# Altium PCB uTCA_MCH_PCB3.pcbdoc (part 9 of 25)
Units mil, origin at the board's own origin, x right, y up, seen from the top; angles counter-clockwise.
Board outline 7110.66 x 2894.12 mil, 12 copper layers (Top Layer, GND1, MidLayer1, PWR1, MidLayer2, GND2, PWR2, MidLayer3, GND3, MidLayer4, PWR3, Bottom Layer), stack 63.15 mil thick; 767 components, 905 nets, 4553 pads, 2832 vias.
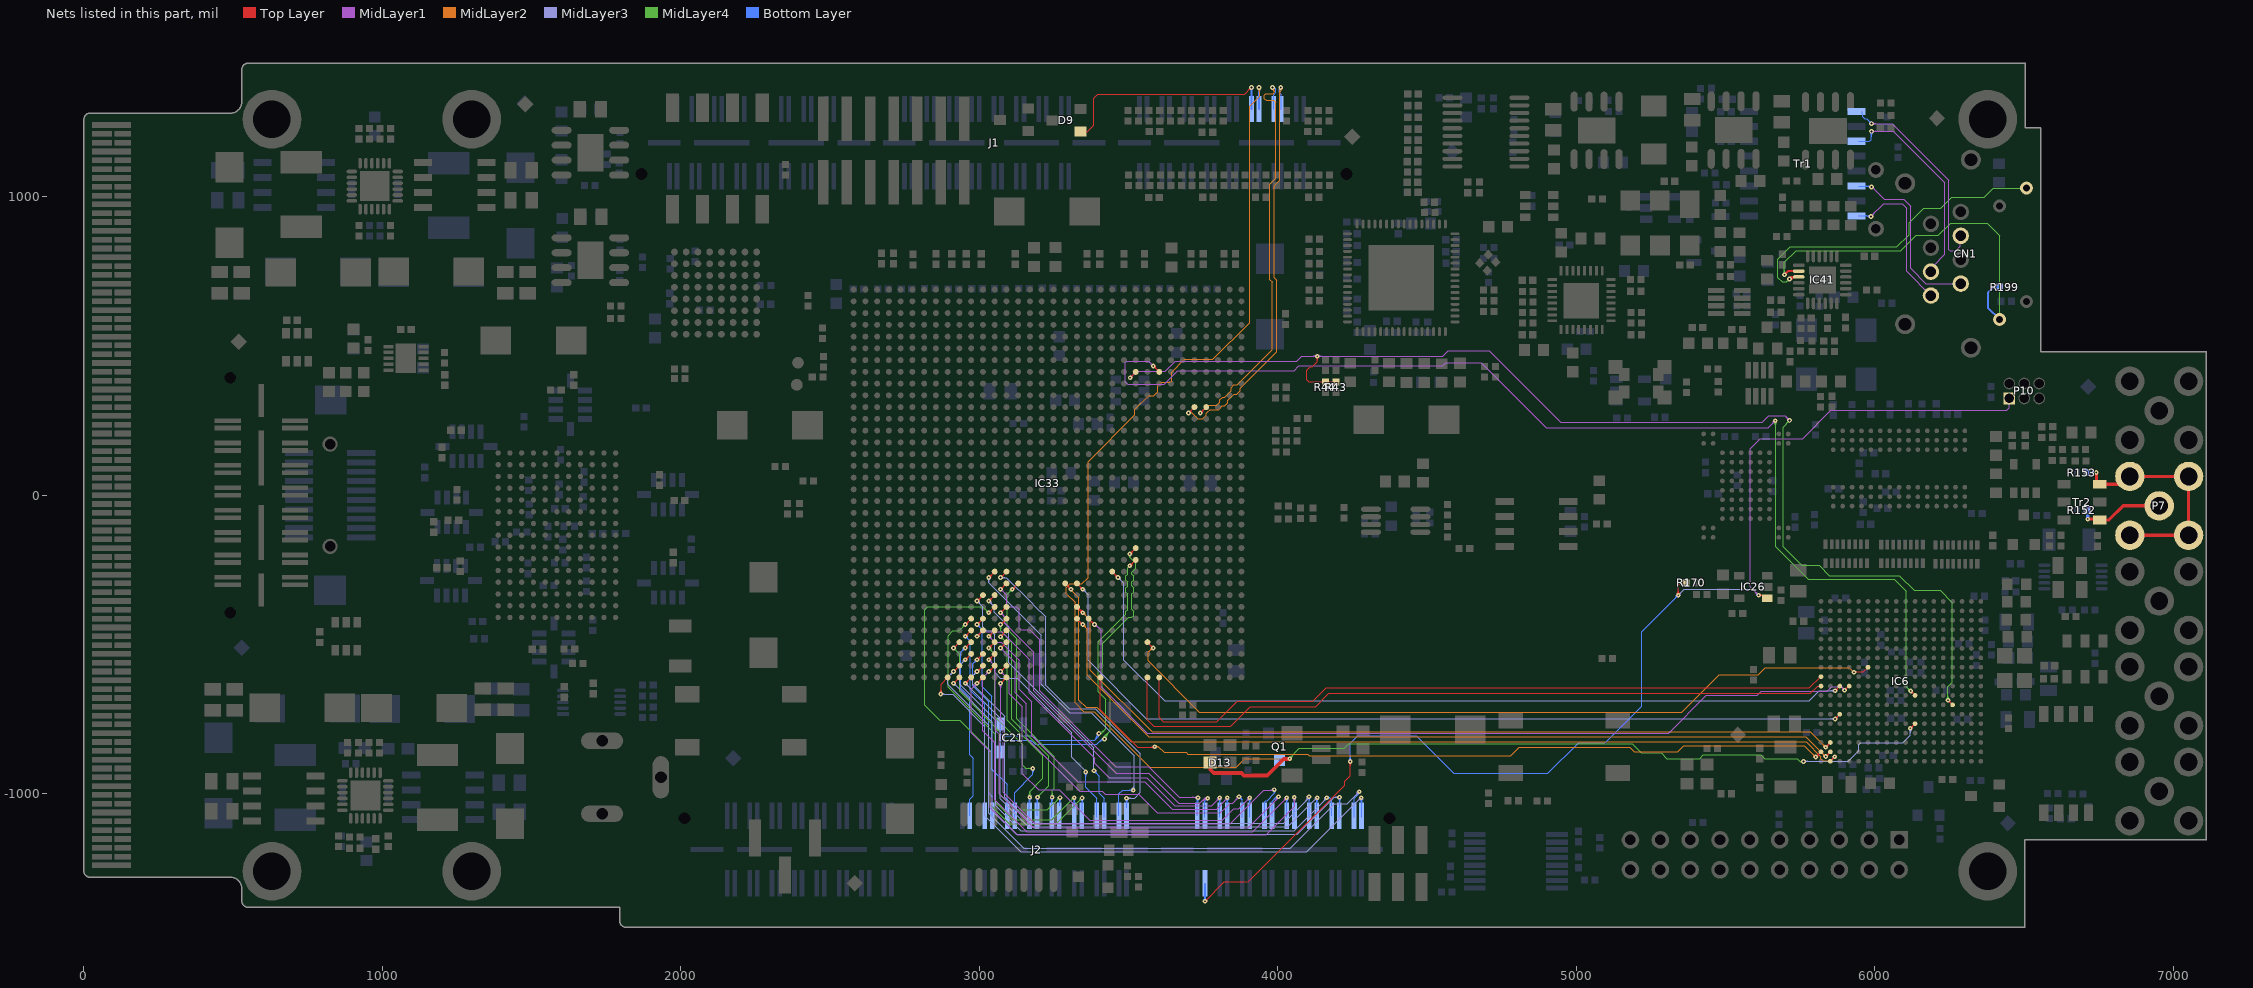
[diagram p19: the nets of this part, all layers, seen from the top]

## Via types
v1: diameter 15.75, hole 5.91, Top Layer to Bottom Layer, tented both sides, 2480 vias
v2: diameter 23.62, hole 11.81, Top Layer to Bottom Layer, tented both sides, 325 vias
v3: diameter 20, hole 10, Top Layer to Bottom Layer, tented both sides, 16 vias
v4: diameter 15.75, hole 7.87, Top Layer to Bottom Layer, tented both sides, 9 vias
v5: diameter 23.62, hole 11.81, Top Layer to Bottom Layer, 1 vias
v6: diameter 15.75, hole 5.91, Top Layer to Bottom Layer, 1 vias

## Nets (pads, with @x,y where several pads share a name; then routed paths per layer and width w, separated by ;. In a path a pad name is that pad's centre, name@x,y a point inside that pad or via, vN(x,y) a via of type N, cw(c..) or ccw(c..) an arc to the next point about the centre after c; other vN are vias at no path point) (continued)
EBI1_D28: IC6.A2 IC33.N34 | length 2730.1
  Top Layer w3.94: IC33.N34@3405.51,-610.24 3405.51,-719.17 3530.24,-843.9 v1@3589.49,-843.9 ; 3570.14,-843.9 ccw(c3570.14,-825.34) v1@3583.27,-838.46 ; 3576.23,-843.9 cw(c3576.23,-853.85) v1@3583.27,-846.81 ; 3579.65,-843.9 ccw(c3579.65,-834.84) v1@3586.05,-841.25 ; v1(5802,-877) 5802.31,-877 IC6.A2@5819.61,-859.7 ; v1@5802,-871.09 ccw(c5802,-856.1) 5812.61,-866.7 ; v1@5807.91,-877 cw(c5821.42,-877) 5811.86,-867.44
  MidLayer2 w3.94: v1@3588.07,-842.87 3599.72,-842.87 ; v1@3591.93,-846.47 cw(c3599.72,-853.11) 3599.72,-842.87 ; v1@3592.17,-839.09 ccw(c3599.72,-833.43) 3599.72,-842.87 ; v1@5796.09,-877 ccw(c5781.84,-877) 5791.92,-866.92 ccw(c5802,-856.84) v1@5802,-871.09 ; v1(5802,-877) 5764.2,-839.2 5360.27,-839.2 5339.47,-860 5194.72,-860 5178.94,-844.21 4809.37,-844.21 4780.94,-872.64 4104.65,-872.64 4099.57,-867.56 3698.27,-867.56 3692.44,-861.73 3618.58,-861.73 3599.72,-842.87
  other v1: 3587.44,-842.64
EBI1_D29: IC6.B2 IC33.R29 | length 2906.4
  Top Layer w3.94: IC33.R29@3326.77,-413.39 v1(3346.46,-433.07) ; v1@3340.55,-433.07 ccw(c3326.29,-433.07) 3336.38,-422.99 ccw(c3346.46,-412.91) v1@3346.46,-427.17 ; v1(5835.35,-875.45) IC6.B2@5851.1,-859.7 ; v1@5835.35,-869.54 ccw(c5835.35,-855.29) 5845.44,-865.37 ccw(c5855.52,-875.45) v1@5841.26,-875.45
  MidLayer2 w3.94: v1@3342.52,-433.07 v1(3346.46,-433.07) 3362,-448.61 3362,-603.42 3567.36,-808.78 5768.69,-808.78 v1(5835.35,-875.45) ; v1@3346.46,-438.98 cw(c3346.46,-453.23) 3356.54,-443.15 cw(c3366.62,-433.07) v1@3352.36,-433.07 ; v1@5829.45,-875.45 ccw(c5815.19,-875.45) 5825.27,-865.37 ccw(c5835.35,-855.29) v1@5835.35,-869.54
EBI1_D30: IC6.B3 IC33.R28 | length 2913.5
  Top Layer w3.94: v1(5835.35,-843.95) IC6.B3@5851.1,-828.2 ; v1@5835.35,-838.05 ccw(c5835.35,-823.79) 5845.44,-833.87 ccw(c5855.52,-843.95) v1@5841.26,-843.95
  Top Layer w4.92: IC33.R28@3326.77,-374.02 v1(3346.46,-393.7) ; v1@3341.04,-393.7 ccw(c3327.97,-393.7) 3337.22,-384.46 ccw(c3346.46,-375.22) v1@3346.46,-388.29
  MidLayer2 w3.94: v1@3344.49,-391.73 v1(3346.46,-393.7) 3372.07,-419.31 3372.07,-585.73 3578.66,-792.32 5783.72,-792.32 v1(5835.35,-843.95) ; v1@3346.46,-399.61 cw(c3346.46,-413.86) 3356.54,-403.78 cw(c3366.62,-393.7) v1@3352.36,-393.7 ; v1@5829.45,-843.95 ccw(c5815.19,-843.95) 5825.27,-833.87 ccw(c5835.35,-823.79) v1@5835.35,-838.05
EBI1_D31: IC6.B1 IC33.T26 | length 3125.8
  Top Layer w3.94: IC33.T26@3287.4,-295.28 v1(3307.09,-314.96) ; v1@3301.18,-314.96 ccw(c3286.92,-314.96) 3297.01,-304.88 ccw(c3307.09,-294.8) v1@3307.09,-309.06 ; IC6.B1@5851.1,-891.2 5851.1,-890.9 v1(5866,-876) ; v1@5860.09,-876 cw(c5845.84,-876) 5855.92,-886.08 cw(c5866,-896.16) v1@5866,-881.91
  MidLayer2 w3.94: v1@3305.12,-314.96 3312.99,-322.83 3312.99,-322.9 3333.4,-343.31 3333.4,-686.4 3358,-711 3393,-711 3508.3,-826.3 5769.39,-826.3 5819,-875.9 5819,-882 5827,-890 5852,-890 v1(5866,-876) ; v1@5860.09,-876 cw(c5845.84,-876) 5855.92,-886.08 cw(c5866,-896.16) v1@5866,-881.91
EBI1_NBS1: IC6.D9 IC33.P29 | length 2986.4
  Top Layer w3.94: IC33.P29@3366.14,-413.39 v1(3385.83,-433.07) ; v1@3379.92,-433.07 ccw(c3365.66,-433.07) 3375.75,-422.99 ccw(c3385.83,-412.91) v1@3385.83,-427.17 ; v1(5898.35,-653.01) 5912.13,-639.23 IC6.D9@5914.09,-639.23 ; v1@5898.35,-647.1 ccw(c5898.35,-632.85) 5908.43,-642.93 ccw(c5918.51,-653.01) v1@5904.25,-653.01
  MidLayer1 w3.94: v1@3385.83,-438.98 cw(c3385.83,-457.99) 3399.27,-444.54 ; v1@3385.83,-435.04 cw(c3385.83,-444.54) 3392.55,-437.82 ; v1@3385.83,-431.1 3407.8,-453.07 3407.8,-642.2 3563.19,-797.6 5308.7,-797.6 5435.57,-670.72 5606.48,-670.72 5619.73,-657.47 5841.05,-657.47 5856.15,-642.37 ; v1@3391.73,-433.07 ccw(c3401.24,-433.07) 3394.52,-439.79 ; 5856.34,-642.18 5889.74,-642.18 ; 5892.06,-644.5 ccw(c5898.35,-638.21) v1@5898.35,-647.1 ; v1@5892.57,-651.77 ccw(c5882.35,-649.58) 5889.74,-642.18 ; v1(5898.35,-653.01) 5898.35,-650.79 5889.74,-642.18
EBI1_NBS3: IC6.A9 IC33.J34 | length 2462.8
  Top Layer w3.94: IC33.J34@3562.99,-610.24 3562.99,-751.69 3584.88,-773.58 3841.61,-773.58 3907.24,-707.95 4126.1,-707.95 4170.79,-663.27 5784,-663.27 5808.04,-639.23 IC6.A9@5819.61,-639.23
EBI1_NCS0: IC6.A10 IC33.H34 | length 2419.2
  Top Layer w3.94: IC33.H34@3602.36,-610.24 3602.36,-744.33 3616.02,-757.99 3795.51,-757.99 3863.19,-690.32 4116.46,-690.32 4161.54,-645.24 5780.76,-645.24 5818.27,-607.73 IC6.A10@5819.61,-607.73
EBI1_NRD: IC6.F11 IC33.J31 | length 2693.6
  Top Layer w3.94: IC33.J31@3562.99,-492.13 v1(3582.68,-511.81) ; v1@3576.77,-511.81 ccw(c3562.51,-511.81) 3572.6,-501.73 ccw(c3582.68,-491.65) v1@3582.68,-505.91 ; v1(5930,-593) 5931.02,-591.98 5961.34,-591.98 IC6.F11@5977.09,-576.24
  MidLayer2 w3.94: 3565.87,-524.68 cw(c3582.68,-541.48) v1@3582.68,-517.72 ; 3572.6,-517.96 cw(c3582.68,-528.04) v1@3582.68,-513.78 ; 3575.38,-515.17 ccw(c3572.02,-511.81) v1@3576.77,-511.81 ; v1@3580.71,-509.84 3564.96,-525.59 3564.96,-555.08 3736.65,-726.77 5353.23,-726.77 5478,-602 5609,-602 5633,-578 5915,-578 v1(5930,-593)
EBI1_NWAIT: IC6.C6 IC33.R26 | length 2972.2
  Top Layer w3.94: IC33.R26@3326.77,-295.28 v1(3346.46,-314.96) ; v1@3340.55,-314.96 ccw(c3326.29,-314.96) 3336.38,-304.88 ccw(c3346.46,-294.8) v1@3346.46,-309.06 ; v1(5866.85,-749.46) IC6.C6@5882.6,-733.72 ; v1@5866.85,-743.56 ccw(c5866.85,-729.3) 5876.93,-739.38 ccw(c5887.01,-749.46) v1@5872.76,-749.46
  MidLayer3 w3.94: v1@3344.49,-312.99 v1(3346.46,-314.96) 3364.17,-332.68 3364.17,-553.54 3559.76,-749.13 5866.52,-749.13 v1(5866.85,-749.46) ; v1@3346.46,-320.87 cw(c3346.46,-335.12) 3356.54,-325.04 cw(c3366.62,-314.96) v1@3352.36,-314.96 ; 5851.79,-749.13 cw(c5851.79,-764.53) v1@5862.67,-753.64 ; 5853.4,-749.13 ccw(c5853.4,-736.02) v1@5862.67,-745.29
EBI1_NWE: IC6.C9 IC33.M25 | length 2877.5
  Top Layer w3.94: IC33.M25@3444.88,-255.91 v1(3464.57,-275.59) ; v1@3458.66,-275.59 ccw(c3444.4,-275.59) 3454.49,-265.51 ccw(c3464.57,-255.43) v1@3464.57,-269.69 ; v1(5866.85,-654.98) IC6.C9@5882.6,-639.23 ; v1@5866.85,-649.07 ccw(c5866.85,-634.81) 5876.93,-644.9 ccw(c5887.01,-654.98) v1@5872.76,-654.98
  MidLayer3 w3.94: v1@3464.57,-281.5 cw(c3464.57,-295.75) 3474.65,-285.67 cw(c3484.73,-275.59) v1@3470.47,-275.59 ; v1(3464.57,-275.59) 3484.25,-295.28 3484.25,-552.63 3620.21,-688.58 ; 3620.6,-688.98 5780,-688.98 5814,-654.98 v1(5866.85,-654.98) ; v1@5862.67,-659.15 ccw(c5852.59,-669.23) 5852.59,-654.98 ccw(c5852.59,-640.72) v1@5862.67,-650.8
ETH_100MHZ.LED_ACT: CN1.10 IC41.3 | length 1171.6
  Top Layer w6.89: v1@5712.09,726.19 cw(c5724.25,714.03) 5724.25,731.23 ; v1@5714.42,728.84 ccw(c5715.54,737.17) 5721.49,731.23 ; v1@5714.93,724.67 5721.49,731.23 ; v1@5716.96,721.32 cw(c5740.89,697.39) IC41.3@5740.89,731.23 ; v1@5718.26,724.45 cw(c5726.83,724.45) 5720.77,730.51 ; IC41.3@5745.08,731.23 5721.49,731.23
  MidLayer4 w4: v1@5707.96,724.23 cw(c5695.51,723.75) 5704.32,714.94 ; v1@5712.5,723.12 5704.32,714.94 ; v1@5713.61,718.58 ccw(c5713.13,706.13) 5704.32,714.94 ; CN1.10@6507.87,1029.06 6396.06,1029.06 6366,999 6258,999 6221,962 6164,962 6115,913 6115,873 6074,832 5716,832 5675,791 5675,729 5689.06,714.94 5704.32,714.94
  other v1: 5713.83,724.45
ETH_100MHZ.LED_LINK: CN1.11 IC41.2 R199.2 | length 1359.4
  Top Layer w6.89: v1(5697,739) 5708.91,750.91 IC41.2@5745.08,750.91 ; v1@5697,743.43 ccw(c5697,754.12) 5704.56,746.56 ccw(c5712.12,739) v1@5701.43,739
  MidLayer4 w4: v1@5692.85,743.15 ccw(c5682.82,753.18) 5697,753.18 ccw(c5711.18,753.18) v1@5701.15,743.15 ; v1(5697,739) 5697,780 5736,819 6087,819 6139,871 6213,871 6254,912 6376,912 6417.87,870.13 CN1.11@6417.87,589.06
  Bottom Layer w6.89: CN1.11@6417.87,589.06 6378.6,628.33 6378.6,677.87 6397.82,697.09 R199.2@6417.95,697.09
ETH_100MHZ.RX_N: CN1.6 Tr1.9 | length 748.8
  MidLayer1 w3.94: v1(5989,1245) 6058.69,1245 6248.03,1055.66 6248.03,822.83 6251.97,818.9 6270.72,818.9 6285.43,833.61 CN1.6@6285.43,864.17 ; v1@5993.18,1240.82 cw(c6003.26,1230.74) 6003.26,1245 cw(c6003.26,1259.26) v1@5993.18,1249.18
  Bottom Layer w3.94: Tr1.9@5957.63,1278.13 Tr1.9@5957.63,1284.41 ; Tr1.9@5959.37,1277.11 5959.37,1268.08 5965.87,1261.58 5972.42,1261.58 v1(5989,1245) ; v1@5983.09,1245 ccw(c5968.84,1245) 5978.92,1255.08 ccw(c5989,1265.16) v1@5989,1250.91 ; v1@5985.22,1250.54 v1@5988.76,1250.54
ETH_100MHZ.RX_P: CN1.3 Tr1.11 | length 737.5
  MidLayer1 w3.94: v1(5989,1218.98) 6062.09,1218.98 6233.83,1047.24 6233.83,806.66 CN1.3@6196.85,769.68 ; v1@5993.18,1214.81 cw(c6003.26,1204.73) 6003.26,1218.98 cw(c6003.26,1233.24) v1@5993.18,1223.16
  Bottom Layer w3.94: Tr1.11@5945.28,1185.94 5981.94,1185.94 5987.72,1191.72 5987.72,1219.72 5989,1221 v1(5989,1218.98) ; v1@5984.82,1214.81 cw(c5977.84,1207.83) 5987.72,1207.83 ; 5987.72,1201.63 cw(c6006.36,1201.63) v1@5993.18,1214.81 ; 5987.72,1211.13 cw(c5996.85,1211.13) v1@5990.39,1217.59
ETH_100MHZ.TX_N: CN1.2 Tr1.14 | length 653
  MidLayer1 w3.94: v1@5989,1027.09 cw(c5989,1012.84) 5999.08,1022.92 cw(c6009.16,1033) v1@5994.91,1033 ; v1(5989,1033) 6031.02,990.98 6097.05,990.98 6120.24,967.8 6120.24,759.76 6170.94,709.06 CN1.2@6287.87,709.06
  Bottom Layer w3.94: Tr1.14@5945.28,1035.94 5986.06,1035.94 v1(5989,1033) ; Tr1.14@5967.63,1035.94 cw(c5967.63,1011.63) v1@5984.82,1028.82 ; 5977.14,1035.94 cw(c5977.14,1021.14) v1@5987.61,1031.61
ETH_100MHZ.TX_P: CN1.1 Tr1.16 | length 575.1
  MidLayer1 w3.94: v1(5987,934) 6029.78,976.78 6091.16,976.78 6106.03,961.91 6106.03,750.9 CN1.1@6187.87,669.06 CN1.1@6187.87,678.27 ; v1@5987,939.91 ccw(c5987,954.16) 5997.08,944.08 ccw(c6007.16,934) v1@5992.91,934
  Bottom Layer w3.94: Tr1.16@5945.28,935.94 5985.06,935.94 v1(5987,934) ; 5968.05,935.94 cw(c5968.05,915.05) v1@5982.82,929.82 ; 5977.44,935.94 ccw(c5977.44,943.56) v1@5982.82,938.18 ; 5977.55,935.94 cw(c5977.55,924.55) v1@5985.61,932.61
EXT_PROGRAM_B: D9.1 J1.85 | length 798.5
  Top Layer w3.94: D9.1@3338.58,1218.5 3362.21,1218.5 3383.86,1240.16 3383.86,1330.71 3396.46,1343.31 3888.58,1343.31 v1(3911.42,1366.14) ; v1@3905.51,1366.14 cw(c3891.25,1366.14) 3901.34,1356.06 cw(c3911.42,1345.98) v1@3911.42,1360.24
  Bottom Layer w6.89: v1@3908.29,1363.01 cw(c3900.72,1355.45) 3911.42,1355.45 cw(c3922.11,1355.45) v1@3914.55,1363.01 ; J1.85@3911.42,1293.9 v1(3911.42,1366.14)
EXTREFIN_10M_N: P7.2 R153.2 Tr2.4 | length 778.8
  Top Layer w10.63: v1(6742,76) 6742,48.51 Tr2.4@6753.7,36.81 6830.25,36.81 6854.17,60.73 P7.2@6854.17,62.99 P7.2@7051.02,62.99 P7.2@7051.02,-133.86 P7.2@6854.17,-133.86
  Bottom Layer w10.63: R153.2@6710.51,76.14 6741.86,76.14 v1(6742,76)
EXTREFIN_10M_P: P7.1 R152.2 Tr2.6 | length 288
  Top Layer w10.63: v1(6713,-80) 6750.83,-80 Tr2.6@6753.7,-82.87 6784.13,-82.87 6831.57,-35.43 P7.1@6952.6,-35.43
  Bottom Layer w10.63: v1(6713,-80) R152.2@6713,-52.49
FBOOT_SEL: IC26.1 J2.29 P10.1 R170.1 | length 4426.5
  Top Layer w3.94: v1(3755.9,-1360.23) 3820.86,-1295.28 3901.37,-1295.28 4224.82,-971.82 4224.82,-957.43 4242.13,-940.13 v1(4242.13,-891.73) ; v1@3755.9,-1354.33 ccw(c3755.9,-1340.07) 3765.98,-1350.15 ccw(c3776.06,-1360.23) v1@3761.8,-1360.23 ; v1@4237.95,-895.91 cw(c4227.87,-905.99) 4242.13,-905.99 cw(c4256.38,-905.99) v1@4246.3,-895.91 ; v1@5336.82,-330.82 ccw(c5326.74,-320.74) 5341,-320.74 ccw(c5355.26,-320.74) v1@5345.18,-330.82 ; v1(5341,-335) 5341,-304 5351.38,-293.62 R170.1@5367.56,-293.62 ; v1(5610.55,-334.81) 5620.81,-334.81 ; v1@5615.66,-337.78 cw(c5620.81,-340.77) 5620.81,-334.81 ; v1@5615.66,-331.84 ccw(c5620.81,-328.85) 5620.81,-334.81 ; IC26.1@5651.18,-334.72 5621.28,-334.72 5621,-335 5620.81,-334.81
  MidLayer1 w3.94: v1@5608.44,-333.91 5581.91,-307.38 5581.91,156.36 5615.58,190.03 5758.57,190.03 5852.53,283.99 6441.84,283.99 6450.35,292.5 P10.1@6450.35,324.36
  MidLayer3 w3.94: v1@5341,-337 v1@5343,-335 ; v1(5341,-335) 5361,-315 5590.23,-315 5610.55,-335.32 v1(5610.55,-334.81) ; v1@5341,-329.09 ccw(c5341,-314.84) 5351.08,-324.92 ccw(c5361.16,-335) v1@5346.91,-335 ; 5599.6,-324.37 ccw(c5610.55,-313.42) v1@5610.55,-328.9 ; 5600.83,-325.6 cw(c5591.62,-334.81) v1@5604.64,-334.81
  Bottom Layer w3.94: v1@4237.95,-887.56 ccw(c4227.87,-877.48) 4242.13,-877.48 ccw(c4256.38,-877.48) v1@4246.3,-887.56 ; v1(4242.13,-891.73) 4242.13,-831.57 4267.6,-806.1 4463.66,-806.1 4589.65,-932.09 4904.53,-932.09 5007.87,-828.74 5096.46,-828.74 5218.54,-706.65 5218.54,-457.46 v1(5341,-335) ; v1@5335.09,-335 cw(c5320.84,-335) 5330.92,-345.08 cw(c5341,-355.16) v1@5341,-340.91
  Bottom Layer w6.89: v1@3752.77,-1357.1 ccw(c3745.95,-1350.28) 3755.59,-1350.28 ; v1@3755.59,-1359.93 J2.29@3755.59,-1301.77 ; 3755.59,-1348.8 ccw(c3767.33,-1348.8) v1@3759.03,-1357.1
FPGA_25MHZ_CLK_N: IC21.3 IC33.K23 | length 1302.6
  Top Layer w3.94: v1(3503.94,-196.85) IC33.K23@3523.62,-177.17 ; v1@3503.94,-190.94 ccw(c3503.94,-176.69) 3514.02,-186.77 ccw(c3524.1,-196.85) v1@3509.84,-196.85
  MidLayer4 w3.94: v1@3416.84,-811.14 ccw(c3415.77,-808.21) 3418.88,-808.21 ; v1@3416.92,-816.68 cw(c3432.61,-816.68) 3421.51,-805.58 ; v1(3418.88,-816.68) 3418.88,-808.21 ; v1@3420.85,-816.68 cw(c3446.05,-816.68) 3428.23,-798.86 ; v1@3420.93,-811.14 cw(c3422,-808.21) 3418.88,-808.21 ; v1@3424.79,-816.68 cw(c3459.49,-816.68) 3434.95,-792.14 ; v1@3500.69,-201.78 cw(c3496.76,-207.74) 3503.9,-207.74 ; v1@3503.9,-197.4 3503.9,-207.74 ; v1@3507.13,-201.82 ccw(c3510.94,-207.74) 3503.9,-207.74 ; 3418.88,-808.21 3438.23,-788.86 3438.23,-678 3412.39,-652.16 3412.39,-565.16 3413.19,-564.37 3413.19,-496.54 3500.72,-409.02 3510.82,-409.02 3516.73,-403.1 3516.73,-388.4 3510.82,-382.49 3510.82,-330.43 3516.73,-324.52 3516.73,-309.66 3510.82,-303.75 3510.82,-290.24 3516.73,-284.32 3516.73,-270.29 3511.25,-264.81 3511.25,-257.35 3524.05,-244.55 3524.05,-227.89 3503.9,-207.74
  Bottom Layer w3.94: IC21.3@3070.87,-860.24 3070.87,-826.18 3076.87,-820.18 3172.62,-820.18 3183.03,-830.59 3187.24,-834.8 3392.41,-834.8 3396.62,-830.59 ; 3402.65,-824.56 cw(c3417.1,-839.01) v1@3418.73,-818.64 ; 3408.68,-818.53 cw(c3417.99,-827.84) v1@3419.04,-814.72 ; v1@3413.32,-818.65 ccw(c3410.53,-819.63) 3410.53,-816.68 ; v1@3413.32,-814.71 cw(c3410.53,-813.73) 3410.53,-816.68 ; v1@3418.41,-822.57 ccw(c3416.21,-850.17) 3396.62,-830.59 ; v1(3418.88,-816.68) 3410.53,-816.68 ; 3396.62,-830.59 3410.53,-816.68
FPGA_25MHZ_CLK_P: IC21.4 IC33.K24 | length 1203
  Top Layer w3.94: v1(3503.94,-236.22) IC33.K24@3523.62,-216.54 ; v1@3503.94,-230.31 ccw(c3503.94,-216.06) 3514.02,-226.14 ccw(c3524.1,-236.22) v1@3509.84,-236.22
  MidLayer4 w3.94: v1@3400.31,-800.13 ccw(c3400.78,-785.45) 3411.17,-795.84 ; v1(3400.37,-798.17) 3408.84,-798.17 ; v1@3400.43,-796.2 ccw(c3401.18,-772.99) 3417.6,-789.41 ; v1@3400.56,-792.26 ccw(c3401.57,-760.53) 3424.03,-782.98 ; v1@3405.91,-800.21 cw(c3408.84,-801.29) 3408.84,-798.17 ; v1@3405.91,-796.13 ccw(c3408.84,-795.05) 3408.84,-798.17 ; v1@3499.15,-236.2 v1(3503.94,-236.22) ; v1(3503.94,-236.22) 3496.83,-243.32 3496.83,-264.6 3491.14,-270.29 3491.14,-284.76 3496.62,-290.24 3496.62,-304.19 3491.14,-309.66 3491.14,-324.96 3496.62,-330.43 3496.62,-382.93 3491.14,-388.4 3491.14,-398.5 3398.98,-490.66 3398.98,-558.48 3398.19,-559.28 3398.19,-658.05 3424.03,-683.88 3424.03,-782.98 ; 3408.84,-798.17 3424.03,-782.98
  Bottom Layer w3.94: IC21.4@3070.87,-765.75 3070.87,-799.09 3077.58,-805.81 3178.57,-805.81 ; 3180.64,-807.87 3193.19,-820.43 3386.46,-820.43 ; 3392.49,-814.4 ccw(c3378.04,-799.95) v1@3398.41,-798.32 ; v1@3394.48,-798.64 cw(c3366.88,-800.85) 3386.46,-820.43 ; v1@3398.4,-803.73 cw(c3397.42,-806.52) 3400.37,-806.52 ; 3398.52,-808.37 ccw(c3389.21,-799.06) v1@3402.33,-798.01 ; v1(3400.37,-798.17) 3400.37,-806.52 ; v1@3402.34,-803.73 ccw(c3403.32,-806.52) 3400.37,-806.52 ; 3386.46,-820.43 3400.37,-806.52
FPGA_CLK: IC6.R7 IC33.K8 R43.2 R44.1 | length 4225.9
  Top Layer w3.94: v1(3505,394) 3523.62,412.62 IC33.K8@3523.62,413.39 ; v1@3505,399.91 ccw(c3505,414.16) 3515.08,404.08 ccw(c3525.16,394) v1@3510.91,394 ; v1@4127.82,461.82 cw(c4117.74,451.74) 4132,451.74 cw(c4146.26,451.74) v1@4136.18,461.82 ; v1(4132,466) 4132,448 4115,431 4108.64,431 4097,419.36 4097,386.92 4104,379.92 R44.1@4155.51,379.92 ; R44.1@4159.45,379.92 R43.2@4194.88,379.92 ; v1@6244.79,-692.38 cw(c6244.79,-706.66) 6254.89,-696.56 ; v1(6244.79,-686.47) IC6.R7@6260.55,-702.22 ; v1@6250.7,-686.47 ccw(c6264.93,-686.47) 6254.86,-696.53
  MidLayer1 w3.94: v1(3505,394) 3526.65,415.65 3622.35,415.65 3655.51,448.82 4063.35,448.82 4079.9,465.37 4551.95,465.37 4570.28,483.71 4708.17,483.71 4947.88,244 5623,244 5645,266 5699,266 v1@5716,249 ; v1@3505,399.91 ccw(c3505,414.16) 3515.08,404.08 ccw(c3525.16,394) v1@3510.91,394 ; 4116.23,465.37 ccw(c4116.23,481.77) v1@4127.82,470.18 ; 4119.25,465.37 cw(c4119.25,453.25) v1@4127.82,461.82 ; v1@4136.18,461.82 cw(c4144.75,453.25) 4144.75,465.37 ; v1@4136.18,470.18 ccw(c4147.77,481.77) 4147.77,465.37 ; 5703.5,261.5 cw(c5692.77,250.77) v1@5707.94,250.77 ; 5704.42,260.58 ccw(c5713.85,270.02) v1@5713.85,256.68
  MidLayer4 w3.94: 5702.41,237.41 ccw(c5689.05,250.77) v1@5707.94,250.77 ; 5707.05,242.05 cw(c5713.85,235.24) v1@5713.85,244.86 ; 5709.13,244.13 ccw(c5702.49,250.77) v1@5711.88,250.77 ; v1@5716,249 5714,249 5692.91,227.91 5692.91,-172.71 5755.54,-235.34 5814.34,-235.34 5848,-269 6081.2,-269 6131.2,-319 6219,-319 6260,-360 6260,-626.04 6244.79,-641.25 v1(6244.79,-686.47) ; v1@6240.61,-682.3 ccw(c6230.53,-672.21) 6244.79,-672.21 ccw(c6259.05,-672.21) v1@6248.97,-682.3
  other v1: 5713.85,250.77
FPGA_DIN: IC6.L8 IC33.H8 | length 3936.9
  Top Layer w3.94: v1@3582.68,427.17 cw(c3582.68,412.91) 3592.76,422.99 cw(c3602.84,433.07) v1@3588.58,433.07 ; v1(3582.68,433.07) IC33.H8@3602.36,413.39 ; v1@6120,-661.91 cw(c6120,-675.78) IC6.L8@6129.81,-665.97 ; v1@6120,-656.16 IC6.L8@6134.57,-670.72 ; v1@6125.91,-656 ccw(c6140.54,-656) IC6.L8@6130.19,-666.35
  MidLayer1 w3.94: v1@3576.77,433.07 ccw(c3562.51,433.07) 3572.6,443.15 ccw(c3582.68,453.23) v1@3582.68,438.98 ; v1(3582.68,433.07) 3566.82,448.93 3493.07,448.93 3488,443.86 3488,381 3497.35,371.65 3619.68,371.65 3624.8,376.77 ; 3619.44,371.41 3664.96,416.93 4054.33,416.93 4070.47,433.07 4551.85,433.07 4562.76,443.98 4680.51,443.98 4898.79,225.7 5642.87,225.7 v1@5665.92,248.75 ; 5655.72,239.03 cw(c5666.36,228.39) v1@5666.36,243.43 ; 5656.51,239.82 ccw(c5646.99,249.34) v1@5660.45,249.34 ; v1@5666.93,250.24 5665.2,251.97 v1@5667.32,251.97
  MidLayer4 w3.94: v1@5662.18,245.16 cw(c5649.78,232.76) 5667.32,232.76 ; 5667.32,237.41 cw(c5678.29,237.41) v1@5670.54,245.16 ; v1@5667.32,251.97 5667.32,-172.32 5777,-282 6064.74,-282 6104.85,-322.11 6104.85,-640.85 v1(6120,-656) ; v1@6114.09,-656 ccw(c6099.84,-656) 6109.92,-645.92 ccw(c6120,-635.84) v1@6120,-650.09
  other v1: 5666.36,249.34
FPGA_DONE: D13.2 IC6.L5 J1.87 Q1.3 | length 6137.1
  Top Layer w3.94: v1(6118.82,-780.96) IC6.L5@6134.57,-765.21 ; v1@6118.82,-775.06 ccw(c6118.82,-760.8) 6128.9,-770.88 ccw(c6138.98,-780.96) v1@6124.72,-780.96
  Top Layer w12.6: D13.2@3773.62,-889.76 3773.62,-919.29 3785.19,-930.86 3877.71,-930.86 3885.83,-938.98 3964.57,-938.98 4019.92,-883.62 v1@4040.04,-883.62
  MidLayer4 w3.94: v1@4037.01,-883.62 4072.2,-848.43 4222.44,-848.43 4237.87,-832.99 5187.59,-832.99 5217.4,-862.8 ; v1@4039.41,-877.09 ccw(c4039.41,-867.11) 4046.47,-874.16 ; v1@4045.31,-882.99 cw(c4063.85,-882.99) 4050.74,-869.89 ; 5217.39,-862.96 5283.93,-862.96 5303.37,-882.4 5412.68,-882.4 5425.78,-869.3 5618.19,-869.3 5631.29,-882.4 5740.6,-882.4 5750.2,-892 ; v1@5756.03,-895.19 ccw(c5750.2,-898.92) 5750.2,-892 ; v1@5756.03,-888.81 cw(c5750.2,-885.08) 5750.2,-892 ; v1@5762,-893 v1(5761,-892) 5750.2,-892
  MidLayer2 w3.94: v1@3932.83,1361.97 cw(c3918,1347.13) 3938.98,1347.13 ; v1@3935.62,1364.75 cw(c3927.5,1356.64) 3938.98,1356.64 cw(c3946.51,1356.64) v1@3941.18,1361.97 ; v1@3938.98,1366.14 3938.98,1336.61 3905.21,1302.85 3905.21,578.44 3781.77,455 3687,455 3644,412 3644,382 3640,378 3609,378 3597,366 3597,346 3585,334 3567,334 3521,288 3521,269 3364,112 3364,-276 3342.76,-297.24 3303.53,-297.24 ; v1@4035.23,-887.17 ccw(c4025.15,-897.25) 4025.15,-882.99 ccw(c4025.15,-868.74) v1@4035.23,-878.82 ; v1@4039.41,-884.21 v1@4040.63,-884.21 ; v1(4039.41,-882.99) 3888.43,-882.99 3860,-911.42 3570.87,-911.42 3384.72,-725.28 3350.28,-725.28 3320.87,-695.87 3320.87,-359.15 3291.16,-329.44 3291.16,-309.18 3299.17,-301.17 ; 3299.17,-301.17 3299.6,-301.17 3303.53,-297.24 ; 3299.17,-301.17 3303.1,-297.24 3303.53,-297.24
  MidLayer3 w3.94: v1(5761,-892) 5761.27,-891.73 5910.27,-891.73 5946,-856 5946,-836 5953,-829 6094,-829 6118.82,-804.18 v1(6118.82,-780.96) ; v1@5765.18,-896.18 cw(c5775.9,-906.9) 5775.9,-891.73 ; v1@5765.18,-887.82 ccw(c5774.61,-878.39) 5774.61,-891.73 ; v1@6114.64,-785.14 cw(c6104.56,-795.22) 6118.82,-795.22 cw(c6133.08,-795.22) v1@6122.99,-785.14
  Bottom Layer w6.89: v1@3933.88,1363.01 cw(c3927.27,1356.4) 3936.61,1356.4 ; J1.87@3936.61,1293.9 v1@3936.61,1365.75 ; 3936.61,1354.5 cw(c3948.65,1354.5) v1@3940.14,1363.01 ; Q1.3@4005.91,-886.81 4034.37,-886.81 v1@4039.41,-881.77 ; Q1.3@4019.5,-886.81 ccw(c4019.5,-863.08) v1@4036.28,-879.86
  other v1: 3937.01,1366.14
FPGA_GCLK_N: IC33.E11 J1.91 | length 1514.2
  Top Layer w3.94: v1(3700.79,275.59) IC33.E11@3720.47,295.28 ; v1@3700.79,281.5 ccw(c3700.79,295.75) 3710.87,285.67 ccw(c3720.95,275.59) v1@3706.69,275.59
  MidLayer2 w3.94: v1(3700.79,275.59) 3711.72,275.59 ; v1@3705.73,272.35 cw(c3711.72,268.43) 3711.72,275.59 ; v1@3705.73,278.83 ccw(c3711.72,282.75) 3711.72,275.59 ; v1@4006.33,1362.61 v1(4009.86,1366.14) ; 4006.6,1344.02 cw(c4031.98,1344.02) v1@4014.03,1361.97 ; 4006.6,1353.53 cw(c4022.47,1353.53) v1@4011.25,1364.75 ; v1@4006.6,1365.75 4006.6,1055.74 3987.23,1036.37 3987.23,728.3 3990.39,725.15 3990.95,725.15 3995.43,720.67 3995.43,481.25 3873.35,359.16 3873.35,349.61 3862.72,338.98 3853.06,338.98 3845.62,331.54 3832.17,318.08 3832.17,310.13 3822.23,300.2 3814.28,300.2 3801.2,287.12 3783.75,287.12 3783.66,287.22 3773.06,287.22 3765.56,279.72 3765.56,279.54 3760.27,274.25 3760.27,267.26 3748.49,255.48 3731.83,255.48 3711.72,275.59